# Altium PCB QuadroRiser.PcbDoc (part 2 of 3)
Units mil, origin at the board's own origin, x right, y up, seen from the top; angles counter-clockwise.
Board outline 3704.72 x 1651.89 mil, 4 copper layers (Top Layer, Power Plane, Ground Plane, Bottom Layer), stack 61.634 mil thick; 2 components, 91 nets, 330 pads, 57 vias.
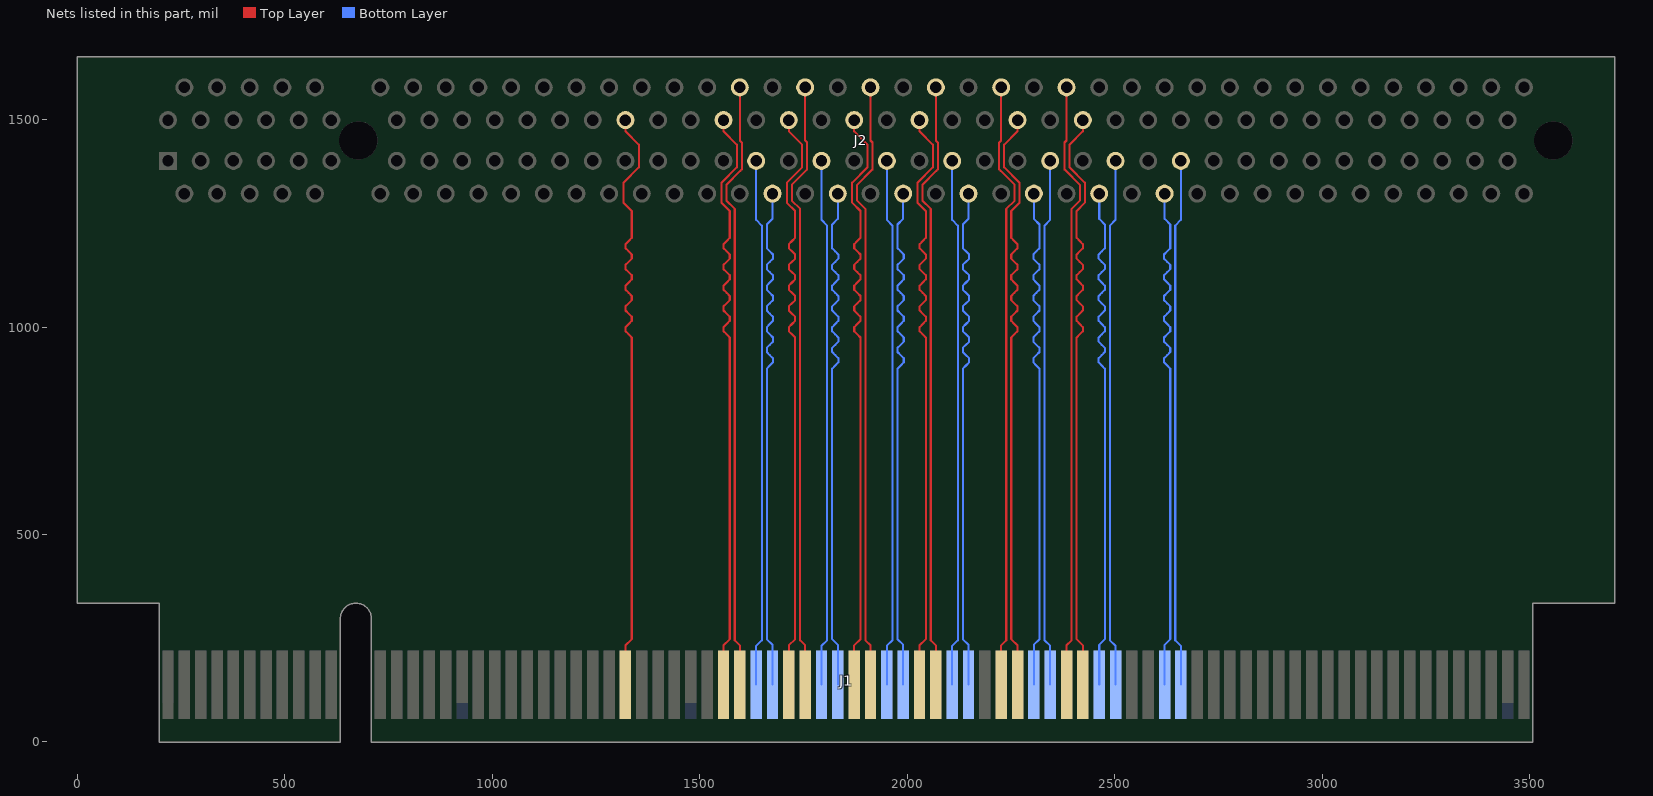
[diagram p4: the nets of this part, all layers, seen from the top]

## Via types
v1: diameter 25, hole 15, Top Layer to Bottom Layer, 57 vias

## Nets (pads, with @x,y where several pads share a name; then routed paths per layer and width w, separated by ;. In a path a pad name is that pad's centre, name@x,y a point inside that pad or via, vN(x,y) a via of type N, cw(c..) or ccw(c..) an arc to the next point about the centre after c; other vN are vias at no path point) (continued)
L3TX_P: J1.109 J2.109 | length 1813.1
  Top Layer w5: J1.109@1320.87,138.15 1320.87,232.83 1336.03,248 1336.03,934.72 ; J2.109@1320.87,1498.78 1320.87,1471.89 1353.03,1439.72 1353.03,1384.72 1316.03,1347.72 1316.03,1299.75 1336.03,1279.75 1336.03,1219.72 ; 1321.03,989.72 1328.53,982.22 ; 1321.03,989.72 1321.03,999.72 ; 1321.03,989.72 1328.53,982.22 ; 1321.03,989.72 1321.03,999.72 ; 1321.03,999.72 1328.53,1007.22 ; 1321.03,999.72 1328.53,1007.22 ; 1321.03,1039.72 1328.53,1032.22 ; 1321.03,1039.72 1321.03,1049.72 ; 1321.03,1039.72 1328.53,1032.22 ; 1321.03,1039.72 1321.03,1049.72 ; 1321.03,1049.72 1328.53,1057.22 ; 1321.03,1049.72 1328.53,1057.22 ; 1321.03,1089.72 1328.53,1082.22 ; 1321.03,1089.72 1321.03,1099.72 ; 1321.03,1089.72 1328.53,1082.22 ; 1321.03,1089.72 1321.03,1099.72 ; 1321.03,1099.72 1328.53,1107.22 ; 1321.03,1099.72 1328.53,1107.22 ; 1321.03,1139.72 1328.53,1132.22 ; 1321.03,1139.72 1321.03,1149.72 ; 1321.03,1139.72 1328.53,1132.22 ; 1321.03,1139.72 1321.03,1149.72 ; 1321.03,1149.72 1328.53,1157.22 ; 1321.03,1149.72 1328.53,1157.22 ; 1321.03,1189.72 1328.53,1182.22 ; 1321.03,1189.72 1321.03,1199.72 ; 1321.03,1189.72 1328.53,1182.22 ; 1321.03,1189.72 1321.03,1199.72 ; 1321.03,1199.72 1328.53,1207.22 ; 1321.03,1199.72 1328.53,1207.22 ; 1328.53,982.22 1336.03,974.72 ; 1328.53,982.22 1336.03,974.72 ; 1328.53,1007.22 1336.03,1014.72 ; 1328.53,1007.22 1336.03,1014.72 ; 1328.53,1032.22 1336.03,1024.72 ; 1328.53,1032.22 1336.03,1024.72 ; 1328.53,1057.22 1336.03,1064.72 ; 1328.53,1057.22 1336.03,1064.72 ; 1328.53,1082.22 1336.03,1074.72 ; 1328.53,1082.22 1336.03,1074.72 ; 1328.53,1107.22 1336.03,1114.72 ; 1328.53,1107.22 1336.03,1114.72 ; 1328.53,1132.22 1336.03,1124.72 ; 1328.53,1132.22 1336.03,1124.72 ; 1328.53,1157.22 1336.03,1164.72 ; 1328.53,1157.22 1336.03,1164.72 ; 1328.53,1182.22 1336.03,1174.72 ; 1328.53,1182.22 1336.03,1174.72 ; 1328.53,1207.22 1336.03,1214.72 ; 1328.53,1207.22 1336.03,1214.72 ; 1336.03,934.72 1336.03,957.22 ; 1336.03,934.72 1336.03,957.22 ; 1336.03,957.22 1336.03,974.72 ; 1336.03,957.22 1336.03,974.72 ; 1336.03,1014.72 1336.03,1024.72 ; 1336.03,1014.72 1336.03,1024.72 ; 1336.03,1064.72 1336.03,1074.72 ; 1336.03,1064.72 1336.03,1074.72 ; 1336.03,1114.72 1336.03,1124.72 ; 1336.03,1114.72 1336.03,1124.72 ; 1336.03,1164.72 1336.03,1174.72 ; 1336.03,1164.72 1336.03,1174.72 ; 1336.03,1214.72 1336.03,1219.72 ; 1336.03,1214.72 1336.03,1219.72
L4RX_N: J1.36 J2.36 | length 1683.9
  Bottom Layer w5: J1.36@1675.2,138.15 1675.2,234.05 1661.51,247.74 1661.51,879.72 ; J2.36@1675.2,1321.61 1675.2,1260.67 1661.51,1246.98 1661.51,1219.72 ; 1661.51,879.72 1661.51,882.22 ; 1661.51,879.72 1661.51,882.22 ; 1661.51,882.22 1661.51,899.72 ; 1661.51,882.22 1661.51,899.72 ; 1661.51,899.72 1669.01,907.22 ; 1661.51,899.72 1669.01,907.22 ; 1661.51,939.72 1669.01,932.22 ; 1661.51,939.72 1661.51,949.72 ; 1661.51,939.72 1669.01,932.22 ; 1661.51,939.72 1661.51,949.72 ; 1661.51,949.72 1669.01,957.22 ; 1661.51,949.72 1669.01,957.22 ; 1661.51,989.72 1669.01,982.22 ; 1661.51,989.72 1661.51,999.72 ; 1661.51,989.72 1669.01,982.22 ; 1661.51,989.72 1661.51,999.72 ; 1661.51,999.72 1669.01,1007.22 ; 1661.51,999.72 1669.01,1007.22 ; 1661.51,1039.72 1669.01,1032.22 ; 1661.51,1039.72 1661.51,1049.72 ; 1661.51,1039.72 1669.01,1032.22 ; 1661.51,1039.72 1661.51,1049.72 ; 1661.51,1049.72 1669.01,1057.22 ; 1661.51,1049.72 1669.01,1057.22 ; 1661.51,1089.72 1669.01,1082.22 ; 1661.51,1089.72 1661.51,1099.72 ; 1661.51,1089.72 1669.01,1082.22 ; 1661.51,1089.72 1661.51,1099.72 ; 1661.51,1099.72 1669.01,1107.22 ; 1661.51,1099.72 1669.01,1107.22 ; 1661.51,1139.72 1669.01,1132.22 ; 1661.51,1139.72 1661.51,1149.72 ; 1661.51,1139.72 1669.01,1132.22 ; 1661.51,1139.72 1661.51,1149.72 ; 1661.51,1149.72 1669.01,1157.22 ; 1661.51,1149.72 1669.01,1157.22 ; 1661.51,1189.72 1669.01,1182.22 ; 1661.51,1189.72 1661.51,1207.22 ; 1661.51,1189.72 1669.01,1182.22 ; 1661.51,1189.72 1661.51,1207.22 ; 1661.51,1207.22 1661.51,1219.72 ; 1661.51,1207.22 1661.51,1219.72 ; 1669.01,907.22 1676.51,914.72 ; 1669.01,907.22 1676.51,914.72 ; 1669.01,932.22 1676.51,924.72 ; 1669.01,932.22 1676.51,924.72 ; 1669.01,957.22 1676.51,964.72 ; 1669.01,957.22 1676.51,964.72 ; 1669.01,982.22 1676.51,974.72 ; 1669.01,982.22 1676.51,974.72 ; 1669.01,1007.22 1676.51,1014.72 ; 1669.01,1007.22 1676.51,1014.72 ; 1669.01,1032.22 1676.51,1024.72 ; 1669.01,1032.22 1676.51,1024.72 ; 1669.01,1057.22 1676.51,1064.72 ; 1669.01,1057.22 1676.51,1064.72 ; 1669.01,1082.22 1676.51,1074.72 ; 1669.01,1082.22 1676.51,1074.72 ; 1669.01,1107.22 1676.51,1114.72 ; 1669.01,1107.22 1676.51,1114.72 ; 1669.01,1132.22 1676.51,1124.72 ; 1669.01,1132.22 1676.51,1124.72 ; 1669.01,1157.22 1676.51,1164.72 ; 1669.01,1157.22 1676.51,1164.72 ; 1669.01,1182.22 1676.51,1174.72 ; 1669.01,1182.22 1676.51,1174.72 ; 1676.51,914.72 1676.51,924.72 ; 1676.51,914.72 1676.51,924.72 ; 1676.51,964.72 1676.51,974.72 ; 1676.51,964.72 1676.51,974.72 ; 1676.51,1014.72 1676.51,1024.72 ; 1676.51,1014.72 1676.51,1024.72 ; 1676.51,1064.72 1676.51,1074.72 ; 1676.51,1064.72 1676.51,1074.72 ; 1676.51,1114.72 1676.51,1124.72 ; 1676.51,1114.72 1676.51,1124.72 ; 1676.51,1164.72 1676.51,1174.72 ; 1676.51,1164.72 1676.51,1174.72
L4RX_P: J1.35 J2.35 | length 1278.8
  Bottom Layer w5: J1.35@1635.83,138.15 1635.83,231.57 1649.51,245.26 1649.51,887.5 ; J2.35@1635.83,1400.35 1635.83,1258.15 1649.51,1244.46 1649.51,1219.72 1649.51,1207.22 1649.51,1189.72 1649.51,1174.72 1649.51,1164.72 1649.51,1149.72 1649.51,1139.72 1649.51,1124.72 1649.51,1114.72 1649.51,1099.72 1649.51,1089.72 1649.51,1074.72 1649.51,1064.72 1649.51,1049.72 1649.51,1039.72 1649.51,1024.72 1649.51,1014.72 1649.51,999.72 1649.51,989.72 1649.51,974.72 1649.51,964.72 1649.51,949.72 1649.51,939.72 1649.51,924.72 1649.51,914.72 1649.51,899.72 1649.51,882.22
L4TX_N: J1.116 J2.116 | length 1475.3
  Top Layer w5: 1584.25,957.22 1584.25,999.72 1584.25,1049.72 1584.25,1099.72 1584.25,1124.72 1584.25,1149.72 1584.25,1174.72 1584.25,1199.72 1584.25,1284.72 1564.25,1304.72 1564.25,1342.75 1597.74,1376.24 1601.25,1379.75 1601.25,1444.69 1597.74,1448.21 1596.46,1449.49 J2.116@1596.46,1577.52 ; 1584.25,962.5 1584.25,245 1596.46,232.79 J1.116@1596.46,138.15
L4TX_P: J1.115 J2.115 | length 1813.1
  Top Layer w5: J1.115@1557.09,138.15 1557.09,232.83 1572.25,248 1572.25,934.72 ; J2.115@1557.09,1498.78 1557.09,1471.89 1589.25,1439.72 1589.25,1384.72 1552.25,1347.72 1552.25,1299.75 1572.25,1279.75 1572.25,1219.72 ; 1557.25,989.72 1564.75,982.22 ; 1557.25,989.72 1557.25,999.72 ; 1557.25,989.72 1564.75,982.22 ; 1557.25,989.72 1557.25,999.72 ; 1557.25,999.72 1564.75,1007.22 ; 1557.25,999.72 1564.75,1007.22 ; 1557.25,1039.72 1564.75,1032.22 ; 1557.25,1039.72 1557.25,1049.72 ; 1557.25,1039.72 1564.75,1032.22 ; 1557.25,1039.72 1557.25,1049.72 ; 1557.25,1049.72 1564.75,1057.22 ; 1557.25,1049.72 1564.75,1057.22 ; 1557.25,1089.72 1564.75,1082.22 ; 1557.25,1089.72 1557.25,1099.72 ; 1557.25,1089.72 1564.75,1082.22 ; 1557.25,1089.72 1557.25,1099.72 ; 1557.25,1099.72 1564.75,1107.22 ; 1557.25,1099.72 1564.75,1107.22 ; 1557.25,1139.72 1564.75,1132.22 ; 1557.25,1139.72 1557.25,1149.72 ; 1557.25,1139.72 1564.75,1132.22 ; 1557.25,1139.72 1557.25,1149.72 ; 1557.25,1149.72 1564.75,1157.22 ; 1557.25,1149.72 1564.75,1157.22 ; 1557.25,1189.72 1564.75,1182.22 ; 1557.25,1189.72 1557.25,1199.72 ; 1557.25,1189.72 1564.75,1182.22 ; 1557.25,1189.72 1557.25,1199.72 ; 1557.25,1199.72 1564.75,1207.22 ; 1557.25,1199.72 1564.75,1207.22 ; 1564.75,982.22 1572.25,974.72 ; 1564.75,982.22 1572.25,974.72 ; 1564.75,1007.22 1572.25,1014.72 ; 1564.75,1007.22 1572.25,1014.72 ; 1564.75,1032.22 1572.25,1024.72 ; 1564.75,1032.22 1572.25,1024.72 ; 1564.75,1057.22 1572.25,1064.72 ; 1564.75,1057.22 1572.25,1064.72 ; 1564.75,1082.22 1572.25,1074.72 ; 1564.75,1082.22 1572.25,1074.72 ; 1564.75,1107.22 1572.25,1114.72 ; 1564.75,1107.22 1572.25,1114.72 ; 1564.75,1132.22 1572.25,1124.72 ; 1564.75,1132.22 1572.25,1124.72 ; 1564.75,1157.22 1572.25,1164.72 ; 1564.75,1157.22 1572.25,1164.72 ; 1564.75,1182.22 1572.25,1174.72 ; 1564.75,1182.22 1572.25,1174.72 ; 1564.75,1207.22 1572.25,1214.72 ; 1564.75,1207.22 1572.25,1214.72 ; 1572.25,934.72 1572.25,957.22 ; 1572.25,934.72 1572.25,957.22 ; 1572.25,957.22 1572.25,974.72 ; 1572.25,957.22 1572.25,974.72 ; 1572.25,1014.72 1572.25,1024.72 ; 1572.25,1014.72 1572.25,1024.72 ; 1572.25,1064.72 1572.25,1074.72 ; 1572.25,1064.72 1572.25,1074.72 ; 1572.25,1114.72 1572.25,1124.72 ; 1572.25,1114.72 1572.25,1124.72 ; 1572.25,1164.72 1572.25,1174.72 ; 1572.25,1164.72 1572.25,1174.72 ; 1572.25,1214.72 1572.25,1219.72 ; 1572.25,1214.72 1572.25,1219.72
L5RX_N: J1.40 J2.40 | length 1683.9
  Bottom Layer w5: J1.40@1832.68,138.15 1832.68,234.05 1818.99,247.74 1818.99,879.72 ; J2.40@1832.68,1321.61 1832.68,1260.67 1818.99,1246.98 1818.99,1219.72 ; 1818.99,879.72 1818.99,882.22 ; 1818.99,879.72 1818.99,882.22 ; 1818.99,882.22 1818.99,899.72 ; 1818.99,882.22 1818.99,899.72 ; 1818.99,899.72 1826.49,907.22 ; 1818.99,899.72 1826.49,907.22 ; 1818.99,939.72 1826.49,932.22 ; 1818.99,939.72 1818.99,949.72 ; 1818.99,939.72 1826.49,932.22 ; 1818.99,939.72 1818.99,949.72 ; 1818.99,949.72 1826.49,957.22 ; 1818.99,949.72 1826.49,957.22 ; 1818.99,989.72 1826.49,982.22 ; 1818.99,989.72 1818.99,999.72 ; 1818.99,989.72 1826.49,982.22 ; 1818.99,989.72 1818.99,999.72 ; 1818.99,999.72 1826.49,1007.22 ; 1818.99,999.72 1826.49,1007.22 ; 1818.99,1039.72 1826.49,1032.22 ; 1818.99,1039.72 1818.99,1049.72 ; 1818.99,1039.72 1826.49,1032.22 ; 1818.99,1039.72 1818.99,1049.72 ; 1818.99,1049.72 1826.49,1057.22 ; 1818.99,1049.72 1826.49,1057.22 ; 1818.99,1089.72 1826.49,1082.22 ; 1818.99,1089.72 1818.99,1099.72 ; 1818.99,1089.72 1826.49,1082.22 ; 1818.99,1089.72 1818.99,1099.72 ; 1818.99,1099.72 1826.49,1107.22 ; 1818.99,1099.72 1826.49,1107.22 ; 1818.99,1139.72 1826.49,1132.22 ; 1818.99,1139.72 1818.99,1149.72 ; 1818.99,1139.72 1826.49,1132.22 ; 1818.99,1139.72 1818.99,1149.72 ; 1818.99,1149.72 1826.49,1157.22 ; 1818.99,1149.72 1826.49,1157.22 ; 1818.99,1189.72 1826.49,1182.22 ; 1818.99,1189.72 1818.99,1207.22 ; 1818.99,1189.72 1826.49,1182.22 ; 1818.99,1189.72 1818.99,1207.22 ; 1818.99,1207.22 1818.99,1219.72 ; 1818.99,1207.22 1818.99,1219.72 ; 1826.49,907.22 1833.99,914.72 ; 1826.49,907.22 1833.99,914.72 ; 1826.49,932.22 1833.99,924.72 ; 1826.49,932.22 1833.99,924.72 ; 1826.49,957.22 1833.99,964.72 ; 1826.49,957.22 1833.99,964.72 ; 1826.49,982.22 1833.99,974.72 ; 1826.49,982.22 1833.99,974.72 ; 1826.49,1007.22 1833.99,1014.72 ; 1826.49,1007.22 1833.99,1014.72 ; 1826.49,1032.22 1833.99,1024.72 ; 1826.49,1032.22 1833.99,1024.72 ; 1826.49,1057.22 1833.99,1064.72 ; 1826.49,1057.22 1833.99,1064.72 ; 1826.49,1082.22 1833.99,1074.72 ; 1826.49,1082.22 1833.99,1074.72 ; 1826.49,1107.22 1833.99,1114.72 ; 1826.49,1107.22 1833.99,1114.72 ; 1826.49,1132.22 1833.99,1124.72 ; 1826.49,1132.22 1833.99,1124.72 ; 1826.49,1157.22 1833.99,1164.72 ; 1826.49,1157.22 1833.99,1164.72 ; 1826.49,1182.22 1833.99,1174.72 ; 1826.49,1182.22 1833.99,1174.72 ; 1833.99,914.72 1833.99,924.72 ; 1833.99,914.72 1833.99,924.72 ; 1833.99,964.72 1833.99,974.72 ; 1833.99,964.72 1833.99,974.72 ; 1833.99,1014.72 1833.99,1024.72 ; 1833.99,1014.72 1833.99,1024.72 ; 1833.99,1064.72 1833.99,1074.72 ; 1833.99,1064.72 1833.99,1074.72 ; 1833.99,1114.72 1833.99,1124.72 ; 1833.99,1114.72 1833.99,1124.72 ; 1833.99,1164.72 1833.99,1174.72 ; 1833.99,1164.72 1833.99,1174.72
L5RX_P: J1.39 J2.39 | length 1278.8
  Bottom Layer w5: J1.39@1793.31,138.15 1793.31,231.57 1806.99,245.26 1806.99,887.5 ; J2.39@1793.31,1400.35 1793.31,1258.15 1806.99,1244.46 1806.99,1219.72 1806.99,1207.22 1806.99,1189.72 1806.99,1174.72 1806.99,1164.72 1806.99,1149.72 1806.99,1139.72 1806.99,1124.72 1806.99,1114.72 1806.99,1099.72 1806.99,1089.72 1806.99,1074.72 1806.99,1064.72 1806.99,1049.72 1806.99,1039.72 1806.99,1024.72 1806.99,1014.72 1806.99,999.72 1806.99,989.72 1806.99,974.72 1806.99,964.72 1806.99,949.72 1806.99,939.72 1806.99,924.72 1806.99,914.72 1806.99,899.72 1806.99,882.22
L5TX_N: J1.120 J2.120 | length 1475.3
  Top Layer w5: 1741.73,957.22 1741.73,999.72 1741.73,1049.72 1741.73,1099.72 1741.73,1124.72 1741.73,1149.72 1741.73,1174.72 1741.73,1199.72 1741.73,1284.72 1721.73,1304.72 1721.73,1342.75 1755.22,1376.24 1758.73,1379.75 1758.73,1444.69 1755.22,1448.21 1753.94,1449.49 J2.120@1753.94,1577.52 ; 1741.73,962.5 1741.73,245 1753.94,232.79 J1.120@1753.94,138.15
L5TX_P: J1.119 J2.119 | length 1813.1
  Top Layer w5: J1.119@1714.57,138.15 1714.57,232.83 1729.73,248 1729.73,934.72 ; J2.119@1714.57,1498.78 1714.57,1471.89 1746.73,1439.72 1746.73,1384.72 1709.73,1347.72 1709.73,1299.75 1729.73,1279.75 1729.73,1219.72 ; 1714.73,989.72 1722.23,982.22 ; 1714.73,989.72 1714.73,999.72 ; 1714.73,989.72 1722.23,982.22 ; 1714.73,989.72 1714.73,999.72 ; 1714.73,999.72 1722.23,1007.22 ; 1714.73,999.72 1722.23,1007.22 ; 1714.73,1039.72 1722.23,1032.22 ; 1714.73,1039.72 1714.73,1049.72 ; 1714.73,1039.72 1722.23,1032.22 ; 1714.73,1039.72 1714.73,1049.72 ; 1714.73,1049.72 1722.23,1057.22 ; 1714.73,1049.72 1722.23,1057.22 ; 1714.73,1089.72 1722.23,1082.22 ; 1714.73,1089.72 1714.73,1099.72 ; 1714.73,1089.72 1722.23,1082.22 ; 1714.73,1089.72 1714.73,1099.72 ; 1714.73,1099.72 1722.23,1107.22 ; 1714.73,1099.72 1722.23,1107.22 ; 1714.73,1139.72 1722.23,1132.22 ; 1714.73,1139.72 1714.73,1149.72 ; 1714.73,1139.72 1722.23,1132.22 ; 1714.73,1139.72 1714.73,1149.72 ; 1714.73,1149.72 1722.23,1157.22 ; 1714.73,1149.72 1722.23,1157.22 ; 1714.73,1189.72 1722.23,1182.22 ; 1714.73,1189.72 1714.73,1199.72 ; 1714.73,1189.72 1722.23,1182.22 ; 1714.73,1189.72 1714.73,1199.72 ; 1714.73,1199.72 1722.23,1207.22 ; 1714.73,1199.72 1722.23,1207.22 ; 1722.23,982.22 1729.73,974.72 ; 1722.23,982.22 1729.73,974.72 ; 1722.23,1007.22 1729.73,1014.72 ; 1722.23,1007.22 1729.73,1014.72 ; 1722.23,1032.22 1729.73,1024.72 ; 1722.23,1032.22 1729.73,1024.72 ; 1722.23,1057.22 1729.73,1064.72 ; 1722.23,1057.22 1729.73,1064.72 ; 1722.23,1082.22 1729.73,1074.72 ; 1722.23,1082.22 1729.73,1074.72 ; 1722.23,1107.22 1729.73,1114.72 ; 1722.23,1107.22 1729.73,1114.72 ; 1722.23,1132.22 1729.73,1124.72 ; 1722.23,1132.22 1729.73,1124.72 ; 1722.23,1157.22 1729.73,1164.72 ; 1722.23,1157.22 1729.73,1164.72 ; 1722.23,1182.22 1729.73,1174.72 ; 1722.23,1182.22 1729.73,1174.72 ; 1722.23,1207.22 1729.73,1214.72 ; 1722.23,1207.22 1729.73,1214.72 ; 1729.73,934.72 1729.73,957.22 ; 1729.73,934.72 1729.73,957.22 ; 1729.73,957.22 1729.73,974.72 ; 1729.73,957.22 1729.73,974.72 ; 1729.73,1014.72 1729.73,1024.72 ; 1729.73,1014.72 1729.73,1024.72 ; 1729.73,1064.72 1729.73,1074.72 ; 1729.73,1064.72 1729.73,1074.72 ; 1729.73,1114.72 1729.73,1124.72 ; 1729.73,1114.72 1729.73,1124.72 ; 1729.73,1164.72 1729.73,1174.72 ; 1729.73,1164.72 1729.73,1174.72 ; 1729.73,1214.72 1729.73,1219.72 ; 1729.73,1214.72 1729.73,1219.72
L6RX_N: J1.44 J2.44 | length 1683.9
  Bottom Layer w5: J1.44@1990.16,138.15 1990.16,234.05 1976.47,247.74 1976.47,879.72 ; J2.44@1990.16,1321.61 1990.16,1260.67 1976.47,1246.98 1976.47,1219.72 ; 1976.47,879.72 1976.47,882.22 ; 1976.47,879.72 1976.47,882.22 ; 1976.47,882.22 1976.47,899.72 ; 1976.47,882.22 1976.47,899.72 ; 1976.47,899.72 1983.97,907.22 ; 1976.47,899.72 1983.97,907.22 ; 1976.47,939.72 1983.97,932.22 ; 1976.47,939.72 1976.47,949.72 ; 1976.47,939.72 1983.97,932.22 ; 1976.47,939.72 1976.47,949.72 ; 1976.47,949.72 1983.97,957.22 ; 1976.47,949.72 1983.97,957.22 ; 1976.47,989.72 1983.97,982.22 ; 1976.47,989.72 1976.47,999.72 ; 1976.47,989.72 1983.97,982.22 ; 1976.47,989.72 1976.47,999.72 ; 1976.47,999.72 1983.97,1007.22 ; 1976.47,999.72 1983.97,1007.22 ; 1976.47,1039.72 1983.97,1032.22 ; 1976.47,1039.72 1976.47,1049.72 ; 1976.47,1039.72 1983.97,1032.22 ; 1976.47,1039.72 1976.47,1049.72 ; 1976.47,1049.72 1983.97,1057.22 ; 1976.47,1049.72 1983.97,1057.22 ; 1976.47,1089.72 1983.97,1082.22 ; 1976.47,1089.72 1976.47,1099.72 ; 1976.47,1089.72 1983.97,1082.22 ; 1976.47,1089.72 1976.47,1099.72 ; 1976.47,1099.72 1983.97,1107.22 ; 1976.47,1099.72 1983.97,1107.22 ; 1976.47,1139.72 1983.97,1132.22 ; 1976.47,1139.72 1976.47,1149.72 ; 1976.47,1139.72 1983.97,1132.22 ; 1976.47,1139.72 1976.47,1149.72 ; 1976.47,1149.72 1983.97,1157.22 ; 1976.47,1149.72 1983.97,1157.22 ; 1976.47,1189.72 1983.97,1182.22 ; 1976.47,1189.72 1976.47,1207.22 ; 1976.47,1189.72 1983.97,1182.22 ; 1976.47,1189.72 1976.47,1207.22 ; 1976.47,1207.22 1976.47,1219.72 ; 1976.47,1207.22 1976.47,1219.72 ; 1983.97,907.22 1991.47,914.72 ; 1983.97,907.22 1991.47,914.72 ; 1983.97,932.22 1991.47,924.72 ; 1983.97,932.22 1991.47,924.72 ; 1983.97,957.22 1991.47,964.72 ; 1983.97,957.22 1991.47,964.72 ; 1983.97,982.22 1991.47,974.72 ; 1983.97,982.22 1991.47,974.72 ; 1983.97,1007.22 1991.47,1014.72 ; 1983.97,1007.22 1991.47,1014.72 ; 1983.97,1032.22 1991.47,1024.72 ; 1983.97,1032.22 1991.47,1024.72 ; 1983.97,1057.22 1991.47,1064.72 ; 1983.97,1057.22 1991.47,1064.72 ; 1983.97,1082.22 1991.47,1074.72 ; 1983.97,1082.22 1991.47,1074.72 ; 1983.97,1107.22 1991.47,1114.72 ; 1983.97,1107.22 1991.47,1114.72 ; 1983.97,1132.22 1991.47,1124.72 ; 1983.97,1132.22 1991.47,1124.72 ; 1983.97,1157.22 1991.47,1164.72 ; 1983.97,1157.22 1991.47,1164.72 ; 1983.97,1182.22 1991.47,1174.72 ; 1983.97,1182.22 1991.47,1174.72 ; 1991.47,914.72 1991.47,924.72 ; 1991.47,914.72 1991.47,924.72 ; 1991.47,964.72 1991.47,974.72 ; 1991.47,964.72 1991.47,974.72 ; 1991.47,1014.72 1991.47,1024.72 ; 1991.47,1014.72 1991.47,1024.72 ; 1991.47,1064.72 1991.47,1074.72 ; 1991.47,1064.72 1991.47,1074.72 ; 1991.47,1114.72 1991.47,1124.72 ; 1991.47,1114.72 1991.47,1124.72 ; 1991.47,1164.72 1991.47,1174.72 ; 1991.47,1164.72 1991.47,1174.72
L6RX_P: J1.43 J2.43 | length 1278.8
  Bottom Layer w5: J1.43@1950.79,138.15 1950.79,231.57 1964.47,245.26 1964.47,887.5 ; J2.43@1950.79,1400.35 1950.79,1258.15 1964.47,1244.46 1964.47,1219.72 1964.47,1207.22 1964.47,1189.72 1964.47,1174.72 1964.47,1164.72 1964.47,1149.72 1964.47,1139.72 1964.47,1124.72 1964.47,1114.72 1964.47,1099.72 1964.47,1089.72 1964.47,1074.72 1964.47,1064.72 1964.47,1049.72 1964.47,1039.72 1964.47,1024.72 1964.47,1014.72 1964.47,999.72 1964.47,989.72 1964.47,974.72 1964.47,964.72 1964.47,949.72 1964.47,939.72 1964.47,924.72 1964.47,914.72 1964.47,899.72 1964.47,882.22
L6TX_N: J1.124 J2.124 | length 1475.3
  Top Layer w5: 1899.21,957.22 1899.21,999.72 1899.21,1049.72 1899.21,1099.72 1899.21,1124.72 1899.21,1149.72 1899.21,1174.72 1899.21,1199.72 1899.21,1284.72 1879.21,1304.72 1879.21,1342.75 1912.7,1376.24 1916.21,1379.75 1916.21,1444.69 1912.7,1448.21 1911.42,1449.49 J2.124@1911.42,1577.52 ; 1899.21,962.5 1899.21,245 1911.42,232.79 J1.124@1911.42,138.15
L6TX_P: J1.123 J2.123 | length 1813.1
  Top Layer w5: J1.123@1872.05,138.15 1872.05,232.83 1887.21,248 1887.21,934.72 ; J2.123@1872.05,1498.78 1872.05,1471.89 1904.21,1439.72 1904.21,1384.72 1867.21,1347.72 1867.21,1299.75 1887.21,1279.75 1887.21,1219.72 ; 1872.21,989.72 1879.71,982.22 ; 1872.21,989.72 1872.21,999.72 ; 1872.21,989.72 1879.71,982.22 ; 1872.21,989.72 1872.21,999.72 ; 1872.21,999.72 1879.71,1007.22 ; 1872.21,999.72 1879.71,1007.22 ; 1872.21,1039.72 1879.71,1032.22 ; 1872.21,1039.72 1872.21,1049.72 ; 1872.21,1039.72 1879.71,1032.22 ; 1872.21,1039.72 1872.21,1049.72 ; 1872.21,1049.72 1879.71,1057.22 ; 1872.21,1049.72 1879.71,1057.22 ; 1872.21,1089.72 1879.71,1082.22 ; 1872.21,1089.72 1872.21,1099.72 ; 1872.21,1089.72 1879.71,1082.22 ; 1872.21,1089.72 1872.21,1099.72 ; 1872.21,1099.72 1879.71,1107.22 ; 1872.21,1099.72 1879.71,1107.22 ; 1872.21,1139.72 1879.71,1132.22 ; 1872.21,1139.72 1872.21,1149.72 ; 1872.21,1139.72 1879.71,1132.22 ; 1872.21,1139.72 1872.21,1149.72 ; 1872.21,1149.72 1879.71,1157.22 ; 1872.21,1149.72 1879.71,1157.22 ; 1872.21,1189.72 1879.71,1182.22 ; 1872.21,1189.72 1872.21,1199.72 ; 1872.21,1189.72 1879.71,1182.22 ; 1872.21,1189.72 1872.21,1199.72 ; 1872.21,1199.72 1879.71,1207.22 ; 1872.21,1199.72 1879.71,1207.22 ; 1879.71,982.22 1887.21,974.72 ; 1879.71,982.22 1887.21,974.72 ; 1879.71,1007.22 1887.21,1014.72 ; 1879.71,1007.22 1887.21,1014.72 ; 1879.71,1032.22 1887.21,1024.72 ; 1879.71,1032.22 1887.21,1024.72 ; 1879.71,1057.22 1887.21,1064.72 ; 1879.71,1057.22 1887.21,1064.72 ; 1879.71,1082.22 1887.21,1074.72 ; 1879.71,1082.22 1887.21,1074.72 ; 1879.71,1107.22 1887.21,1114.72 ; 1879.71,1107.22 1887.21,1114.72 ; 1879.71,1132.22 1887.21,1124.72 ; 1879.71,1132.22 1887.21,1124.72 ; 1879.71,1157.22 1887.21,1164.72 ; 1879.71,1157.22 1887.21,1164.72 ; 1879.71,1182.22 1887.21,1174.72 ; 1879.71,1182.22 1887.21,1174.72 ; 1879.71,1207.22 1887.21,1214.72 ; 1879.71,1207.22 1887.21,1214.72 ; 1887.21,934.72 1887.21,957.22 ; 1887.21,934.72 1887.21,957.22 ; 1887.21,957.22 1887.21,974.72 ; 1887.21,957.22 1887.21,974.72 ; 1887.21,1014.72 1887.21,1024.72 ; 1887.21,1014.72 1887.21,1024.72 ; 1887.21,1064.72 1887.21,1074.72 ; 1887.21,1064.72 1887.21,1074.72 ; 1887.21,1114.72 1887.21,1124.72 ; 1887.21,1114.72 1887.21,1124.72 ; 1887.21,1164.72 1887.21,1174.72 ; 1887.21,1164.72 1887.21,1174.72 ; 1887.21,1214.72 1887.21,1219.72 ; 1887.21,1214.72 1887.21,1219.72
L7RX_N: J1.48 J2.48 | length 1271.9
  Bottom Layer w5: 2133.95,879.72 2133.95,882.22 ; J1.48@2147.64,138.15 2147.64,234.05 2133.95,247.74 2133.95,882.22 ; J2.48@2147.64,1321.61 2147.64,1260.67 2133.95,1246.98 2133.95,1219.72 2133.95,1207.22 2133.95,1189.72 2141.45,1182.22 2148.95,1174.72 2148.95,1164.72 2141.45,1157.22 2133.95,1149.72 2133.95,1139.72 2141.45,1132.22 2148.95,1124.72 2148.95,1114.72 2141.45,1107.22 2133.95,1099.72 2133.95,1089.72 2141.45,1082.22 2148.95,1074.72 2148.95,1064.72 2141.45,1057.22 2133.95,1049.72 2133.95,1039.72 2141.45,1032.22 2148.95,1024.72 2148.95,1014.72 2141.45,1007.22 2133.95,999.72 2133.95,989.72 2141.45,982.22 2148.95,974.72 2148.95,964.72 2141.45,957.22 2133.95,949.72 2133.95,939.72 2141.45,932.22 2148.95,924.72 2148.95,914.72 2141.45,907.22 2133.95,899.72 2133.95,882.22
L7RX_P: J1.47 J2.47 | length 1278.8
  Bottom Layer w5: J1.47@2108.27,138.15 2108.27,231.57 2121.95,245.26 2121.95,887.5 ; J2.47@2108.27,1400.35 2108.27,1258.15 2121.95,1244.46 2121.95,1219.72 2121.95,1207.22 2121.95,1189.72 2121.95,1174.72 2121.95,1164.72 2121.95,1149.72 2121.95,1139.72 2121.95,1124.72 2121.95,1114.72 2121.95,1099.72 2121.95,1089.72 2121.95,1074.72 2121.95,1064.72 2121.95,1049.72 2121.95,1039.72 2121.95,1024.72 2121.95,1014.72 2121.95,999.72 2121.95,989.72 2121.95,974.72 2121.95,964.72 2121.95,949.72 2121.95,939.72 2121.95,924.72 2121.95,914.72 2121.95,899.72 2121.95,882.22
L7TX_N: J1.128 J2.128 | length 1475.3
  Top Layer w5: 2056.69,957.22 2056.69,999.72 2056.69,1049.72 2056.69,1099.72 2056.69,1124.72 2056.69,1149.72 2056.69,1174.72 2056.69,1199.72 2056.69,1284.72 2036.69,1304.72 2036.69,1342.75 2070.18,1376.24 2073.69,1379.75 2073.69,1444.69 2070.18,1448.21 2068.9,1449.49 J2.128@2068.9,1577.52 ; 2056.69,962.5 2056.69,245 2068.9,232.79 J1.128@2068.9,138.15
L7TX_P: J1.127 J2.127 | length 1813.1
  Top Layer w5: J1.127@2029.53,138.15 2029.53,232.83 2044.69,248 2044.69,934.72 ; J2.127@2029.53,1498.78 2029.53,1471.89 2061.69,1439.72 2061.69,1384.72 2024.69,1347.72 2024.69,1299.75 2044.69,1279.75 2044.69,1219.72 ; 2029.69,989.72 2037.19,982.22 ; 2029.69,989.72 2029.69,999.72 ; 2029.69,989.72 2037.19,982.22 ; 2029.69,989.72 2029.69,999.72 ; 2029.69,999.72 2037.19,1007.22 ; 2029.69,999.72 2037.19,1007.22 ; 2029.69,1039.72 2037.19,1032.22 ; 2029.69,1039.72 2029.69,1049.72 ; 2029.69,1039.72 2037.19,1032.22 ; 2029.69,1039.72 2029.69,1049.72 ; 2029.69,1049.72 2037.19,1057.22 ; 2029.69,1049.72 2037.19,1057.22 ; 2029.69,1089.72 2037.19,1082.22 ; 2029.69,1089.72 2029.69,1099.72 ; 2029.69,1089.72 2037.19,1082.22 ; 2029.69,1089.72 2029.69,1099.72 ; 2029.69,1099.72 2037.19,1107.22 ; 2029.69,1099.72 2037.19,1107.22 ; 2029.69,1139.72 2037.19,1132.22 ; 2029.69,1139.72 2029.69,1149.72 ; 2029.69,1139.72 2037.19,1132.22 ; 2029.69,1139.72 2029.69,1149.72 ; 2029.69,1149.72 2037.19,1157.22 ; 2029.69,1149.72 2037.19,1157.22 ; 2029.69,1189.72 2037.19,1182.22 ; 2029.69,1189.72 2029.69,1199.72 ; 2029.69,1189.72 2037.19,1182.22 ; 2029.69,1189.72 2029.69,1199.72 ; 2029.69,1199.72 2037.19,1207.22 ; 2029.69,1199.72 2037.19,1207.22 ; 2037.19,982.22 2044.69,974.72 ; 2037.19,982.22 2044.69,974.72 ; 2037.19,1007.22 2044.69,1014.72 ; 2037.19,1007.22 2044.69,1014.72 ; 2037.19,1032.22 2044.69,1024.72 ; 2037.19,1032.22 2044.69,1024.72 ; 2037.19,1057.22 2044.69,1064.72 ; 2037.19,1057.22 2044.69,1064.72 ; 2037.19,1082.22 2044.69,1074.72 ; 2037.19,1082.22 2044.69,1074.72 ; 2037.19,1107.22 2044.69,1114.72 ; 2037.19,1107.22 2044.69,1114.72 ; 2037.19,1132.22 2044.69,1124.72 ; 2037.19,1132.22 2044.69,1124.72 ; 2037.19,1157.22 2044.69,1164.72 ; 2037.19,1157.22 2044.69,1164.72 ; 2037.19,1182.22 2044.69,1174.72 ; 2037.19,1182.22 2044.69,1174.72 ; 2037.19,1207.22 2044.69,1214.72 ; 2037.19,1207.22 2044.69,1214.72 ; 2044.69,934.72 2044.69,957.22 ; 2044.69,934.72 2044.69,957.22 ; 2044.69,957.22 2044.69,974.72 ; 2044.69,957.22 2044.69,974.72 ; 2044.69,1014.72 2044.69,1024.72 ; 2044.69,1014.72 2044.69,1024.72 ; 2044.69,1064.72 2044.69,1074.72 ; 2044.69,1064.72 2044.69,1074.72 ; 2044.69,1114.72 2044.69,1124.72 ; 2044.69,1114.72 2044.69,1124.72 ; 2044.69,1164.72 2044.69,1174.72 ; 2044.69,1164.72 2044.69,1174.72 ; 2044.69,1214.72 2044.69,1219.72 ; 2044.69,1214.72 2044.69,1219.72
L8RX_N: J1.53 J2.53 | length 1278.8
  Bottom Layer w5: 2330.8,882.22 2330.8,899.72 2330.8,914.72 2330.8,924.72 2330.8,939.72 2330.8,949.72 2330.8,964.72 2330.8,974.72 2330.8,989.72 2330.8,999.72 2330.8,1014.72 2330.8,1024.72 2330.8,1039.72 2330.8,1049.72 2330.8,1064.72 2330.8,1074.72 2330.8,1089.72 2330.8,1099.72 2330.8,1114.72 2330.8,1124.72 2330.8,1139.72 2330.8,1149.72 2330.8,1164.72 2330.8,1174.72 2330.8,1189.72 2330.8,1207.22 2330.8,1219.72 2330.8,1244.46 2344.49,1258.15 J2.53@2344.49,1400.35 ; 2330.8,887.5 2330.8,245.26 2344.49,231.57 J1.53@2344.49,138.15
L8RX_P: J1.52 J2.52 | length 1269.4
  Bottom Layer w5: J1.52@2305.12,138.15 2305.12,234.05 2318.8,247.74 2318.8,879.72 2318.8,882.22 2318.8,899.72 2311.3,907.22 2303.8,914.72 2303.8,924.72 2311.3,932.22 2318.8,939.72 2318.8,949.72 2311.3,957.22 2303.8,964.72 2303.8,974.72 2311.3,982.22 2318.8,989.72 2318.8,999.72 2311.3,1007.22 2303.8,1014.72 2303.8,1024.72 2311.3,1032.22 2318.8,1039.72 2318.8,1049.72 2311.3,1057.22 2303.8,1064.72 2303.8,1074.72 2311.3,1082.22 2318.8,1089.72 2318.8,1099.72 2311.3,1107.22 2303.8,1114.72 2303.8,1124.72 2311.3,1132.22 2318.8,1139.72 2318.8,1149.72 2311.3,1157.22 2303.8,1164.72 2303.8,1174.72 2311.3,1182.22 2318.8,1189.72 2318.8,1207.22 2318.8,1219.72 2318.8,1246.98 2305.12,1260.67 J2.52@2305.12,1321.61
L8TX_N: J1.133 J2.133 | length 1813.1
  Top Layer w5: J1.133@2265.75,138.15 2265.75,232.83 2250.58,248 2250.58,934.72 ; J2.133@2265.75,1498.78 2265.75,1471.89 2233.58,1439.72 2233.58,1384.72 2270.58,1347.72 2270.58,1299.75 2250.58,1279.75 2250.58,1219.72 ; 2250.58,934.72 2250.58,957.22 ; 2250.58,934.72 2250.58,957.22 ; 2250.58,957.22 2250.58,974.72 ; 2250.58,957.22 2250.58,974.72 ; 2250.58,974.72 2258.08,982.22 ; 2250.58,974.72 2258.08,982.22 ; 2250.58,1014.72 2258.08,1007.22 ; 2250.58,1014.72 2250.58,1024.72 ; 2250.58,1014.72 2258.08,1007.22 ; 2250.58,1014.72 2250.58,1024.72 ; 2250.58,1024.72 2258.08,1032.22 ; 2250.58,1024.72 2258.08,1032.22 ; 2250.58,1064.72 2258.08,1057.22 ; 2250.58,1064.72 2250.58,1074.72 ; 2250.58,1064.72 2258.08,1057.22 ; 2250.58,1064.72 2250.58,1074.72 ; 2250.58,1074.72 2258.08,1082.22 ; 2250.58,1074.72 2258.08,1082.22 ; 2250.58,1114.72 2258.08,1107.22 ; 2250.58,1114.72 2250.58,1124.72 ; 2250.58,1114.72 2258.08,1107.22 ; 2250.58,1114.72 2250.58,1124.72 ; 2250.58,1124.72 2258.08,1132.22 ; 2250.58,1124.72 2258.08,1132.22 ; 2250.58,1164.72 2258.08,1157.22 ; 2250.58,1164.72 2250.58,1174.72 ; 2250.58,1164.72 2258.08,1157.22 ; 2250.58,1164.72 2250.58,1174.72 ; 2250.58,1174.72 2258.08,1182.22 ; 2250.58,1174.72 2258.08,1182.22 ; 2250.58,1214.72 2250.58,1219.72 ; 2250.58,1214.72 2258.08,1207.22 ; 2250.58,1214.72 2250.58,1219.72 ; 2250.58,1214.72 2258.08,1207.22 ; 2258.08,982.22 2265.58,989.72 ; 2258.08,982.22 2265.58,989.72 ; 2258.08,1007.22 2265.58,999.72 ; 2258.08,1007.22 2265.58,999.72 ; 2258.08,1032.22 2265.58,1039.72 ; 2258.08,1032.22 2265.58,1039.72 ; 2258.08,1057.22 2265.58,1049.72 ; 2258.08,1057.22 2265.58,1049.72 ; 2258.08,1082.22 2265.58,1089.72 ; 2258.08,1082.22 2265.58,1089.72 ; 2258.08,1107.22 2265.58,1099.72 ; 2258.08,1107.22 2265.58,1099.72 ; 2258.08,1132.22 2265.58,1139.72 ; 2258.08,1132.22 2265.58,1139.72 ; 2258.08,1157.22 2265.58,1149.72 ; 2258.08,1157.22 2265.58,1149.72 ; 2258.08,1182.22 2265.58,1189.72 ; 2258.08,1182.22 2265.58,1189.72 ; 2258.08,1207.22 2265.58,1199.72 ; 2258.08,1207.22 2265.58,1199.72 ; 2265.58,989.72 2265.58,999.72 ; 2265.58,989.72 2265.58,999.72 ; 2265.58,1039.72 2265.58,1049.72 ; 2265.58,1039.72 2265.58,1049.72 ; 2265.58,1089.72 2265.58,1099.72 ; 2265.58,1089.72 2265.58,1099.72 ; 2265.58,1139.72 2265.58,1149.72 ; 2265.58,1139.72 2265.58,1149.72 ; 2265.58,1189.72 2265.58,1199.72 ; 2265.58,1189.72 2265.58,1199.72
L8TX_P: J1.132 J2.132 | length 1475.3
  Top Layer w5: J1.132@2226.38,138.15 2226.38,232.79 2238.58,245 2238.58,962.5 ; J2.132@2226.38,1577.52 2226.38,1449.49 2225.1,1448.21 2221.58,1444.69 2221.58,1379.75 2225.1,1376.24 2258.58,1342.75 2258.58,1304.72 2238.58,1284.72 2238.58,1199.72 2238.58,1174.72 2238.58,1149.72 2238.58,1124.72 2238.58,1099.72 2238.58,1049.72 2238.58,999.72 2238.58,957.22
L9RX_N: J1.57 J2.57 | length 1278.8
  Bottom Layer w5: 2488.28,882.22 2488.28,899.72 2488.28,914.72 2488.28,924.72 2488.28,939.72 2488.28,949.72 2488.28,964.72 2488.28,974.72 2488.28,989.72 2488.28,999.72 2488.28,1014.72 2488.28,1024.72 2488.28,1039.72 2488.28,1049.72 2488.28,1064.72 2488.28,1074.72 2488.28,1089.72 2488.28,1099.72 2488.28,1114.72 2488.28,1124.72 2488.28,1139.72 2488.28,1149.72 2488.28,1164.72 2488.28,1174.72 2488.28,1189.72 2488.28,1207.22 2488.28,1219.72 2488.28,1244.46 2501.97,1258.15 J2.57@2501.97,1400.35 ; 2488.28,887.5 2488.28,245.26 2501.97,231.57 J1.57@2501.97,138.15
L9RX_P: J1.56 J2.56 | length 1269.4
  Bottom Layer w5: J1.56@2462.6,138.15 2462.6,234.05 2476.28,247.74 2476.28,879.72 2476.28,882.22 2476.28,899.72 2468.78,907.22 2461.28,914.72 2461.28,924.72 2468.78,932.22 2476.28,939.72 2476.28,949.72 2468.78,957.22 2461.28,964.72 2461.28,974.72 2468.78,982.22 2476.28,989.72 2476.28,999.72 2468.78,1007.22 2461.28,1014.72 2461.28,1024.72 2468.78,1032.22 2476.28,1039.72 2476.28,1049.72 2468.78,1057.22 2461.28,1064.72 2461.28,1074.72 2468.78,1082.22 2476.28,1089.72 2476.28,1099.72 2468.78,1107.22 2461.28,1114.72 2461.28,1124.72 2468.78,1132.22 2476.28,1139.72 2476.28,1149.72 2468.78,1157.22 2461.28,1164.72 2461.28,1174.72 2468.78,1182.22 2476.28,1189.72 2476.28,1207.22 2476.28,1219.72 2476.28,1246.98 2462.6,1260.67 J2.56@2462.6,1321.61
L9TX_N: J1.137 J2.137 | length 1813.1
  Top Layer w5: J1.137@2423.23,138.15 2423.23,232.83 2408.06,248 2408.06,934.72 ; J2.137@2423.23,1498.78 2423.23,1471.89 2391.06,1439.72 2391.06,1384.72 2428.06,1347.72 2428.06,1299.75 2408.06,1279.75 2408.06,1219.72 ; 2408.06,934.72 2408.06,957.22 ; 2408.06,934.72 2408.06,957.22 ; 2408.06,957.22 2408.06,974.72 ; 2408.06,957.22 2408.06,974.72 ; 2408.06,974.72 2415.56,982.22 ; 2408.06,974.72 2415.56,982.22 ; 2408.06,1014.72 2415.56,1007.22 ; 2408.06,1014.72 2408.06,1024.72 ; 2408.06,1014.72 2415.56,1007.22 ; 2408.06,1014.72 2408.06,1024.72 ; 2408.06,1024.72 2415.56,1032.22 ; 2408.06,1024.72 2415.56,1032.22 ; 2408.06,1064.72 2415.56,1057.22 ; 2408.06,1064.72 2408.06,1074.72 ; 2408.06,1064.72 2415.56,1057.22 ; 2408.06,1064.72 2408.06,1074.72 ; 2408.06,1074.72 2415.56,1082.22 ; 2408.06,1074.72 2415.56,1082.22 ; 2408.06,1114.72 2415.56,1107.22 ; 2408.06,1114.72 2408.06,1124.72 ; 2408.06,1114.72 2415.56,1107.22 ; 2408.06,1114.72 2408.06,1124.72 ; 2408.06,1124.72 2415.56,1132.22 ; 2408.06,1124.72 2415.56,1132.22 ; 2408.06,1164.72 2415.56,1157.22 ; 2408.06,1164.72 2408.06,1174.72 ; 2408.06,1164.72 2415.56,1157.22 ; 2408.06,1164.72 2408.06,1174.72 ; 2408.06,1174.72 2415.56,1182.22 ; 2408.06,1174.72 2415.56,1182.22 ; 2408.06,1214.72 2408.06,1219.72 ; 2408.06,1214.72 2415.56,1207.22 ; 2408.06,1214.72 2408.06,1219.72 ; 2408.06,1214.72 2415.56,1207.22 ; 2415.56,982.22 2423.06,989.72 ; 2415.56,982.22 2423.06,989.72 ; 2415.56,1007.22 2423.06,999.72 ; 2415.56,1007.22 2423.06,999.72 ; 2415.56,1032.22 2423.06,1039.72 ; 2415.56,1032.22 2423.06,1039.72 ; 2415.56,1057.22 2423.06,1049.72 ; 2415.56,1057.22 2423.06,1049.72 ; 2415.56,1082.22 2423.06,1089.72 ; 2415.56,1082.22 2423.06,1089.72 ; 2415.56,1107.22 2423.06,1099.72 ; 2415.56,1107.22 2423.06,1099.72 ; 2415.56,1132.22 2423.06,1139.72 ; 2415.56,1132.22 2423.06,1139.72 ; 2415.56,1157.22 2423.06,1149.72 ; 2415.56,1157.22 2423.06,1149.72 ; 2415.56,1182.22 2423.06,1189.72 ; 2415.56,1182.22 2423.06,1189.72 ; 2415.56,1207.22 2423.06,1199.72 ; 2415.56,1207.22 2423.06,1199.72 ; 2423.06,989.72 2423.06,999.72 ; 2423.06,989.72 2423.06,999.72 ; 2423.06,1039.72 2423.06,1049.72 ; 2423.06,1039.72 2423.06,1049.72 ; 2423.06,1089.72 2423.06,1099.72 ; 2423.06,1089.72 2423.06,1099.72 ; 2423.06,1139.72 2423.06,1149.72 ; 2423.06,1139.72 2423.06,1149.72 ; 2423.06,1189.72 2423.06,1199.72 ; 2423.06,1189.72 2423.06,1199.72
L9TX_P: J1.136 J2.136 | length 1475.3
  Top Layer w5: J1.136@2383.86,138.15 2383.86,232.79 2396.06,245 2396.06,962.5 ; J2.136@2383.86,1577.52 2383.86,1449.49 2382.58,1448.21 2379.06,1444.69 2379.06,1379.75 2382.58,1376.24 2416.06,1342.75 2416.06,1304.72 2396.06,1284.72 2396.06,1199.72 2396.06,1174.72 2396.06,1149.72 2396.06,1124.72 2396.06,1099.72 2396.06,1049.72 2396.06,999.72 2396.06,957.22
L10RX_N: J1.61 J2.61 | length 1278.8
  Bottom Layer w5: 2645.76,882.22 2645.76,899.72 2645.76,914.72 2645.76,924.72 2645.76,939.72 2645.76,949.72 2645.76,964.72 2645.76,974.72 2645.76,989.72 2645.76,999.72 2645.76,1014.72 2645.76,1024.72 2645.76,1039.72 2645.76,1049.72 2645.76,1064.72 2645.76,1074.72 2645.76,1089.72 2645.76,1099.72 2645.76,1114.72 2645.76,1124.72 2645.76,1139.72 2645.76,1149.72 2645.76,1164.72 2645.76,1174.72 2645.76,1189.72 2645.76,1207.22 2645.76,1219.72 2645.76,1244.46 2659.45,1258.15 J2.61@2659.45,1400.35 ; 2645.76,887.5 2645.76,245.26 2659.45,231.57 J1.61@2659.45,138.15
L10RX_P: J1.60 J2.60 | length 1269.4
  Bottom Layer w5: J1.60@2620.08,138.15 2620.08,234.05 2633.76,247.74 2633.76,879.72 2633.76,882.22 2633.76,899.72 2626.26,907.22 2618.76,914.72 2618.76,924.72 2626.26,932.22 2633.76,939.72 2633.76,949.72 2626.26,957.22 2618.76,964.72 2618.76,974.72 2626.26,982.22 2633.76,989.72 2633.76,999.72 2626.26,1007.22 2618.76,1014.72 2618.76,1024.72 2626.26,1032.22 2633.76,1039.72 2633.76,1049.72 2626.26,1057.22 2618.76,1064.72 2618.76,1074.72 2626.26,1082.22 2633.76,1089.72 2633.76,1099.72 2626.26,1107.22 2618.76,1114.72 2618.76,1124.72 2626.26,1132.22 2633.76,1139.72 2633.76,1149.72 2626.26,1157.22 2618.76,1164.72 2618.76,1174.72 2626.26,1182.22 2633.76,1189.72 2633.76,1207.22 2633.76,1219.72 2633.76,1246.98 2620.08,1260.67 J2.60@2620.08,1321.61